# Altium PCB LimeSDR-Micro_M.2_2280_1v2.PcbDoc (part 7 of 9) (continued)
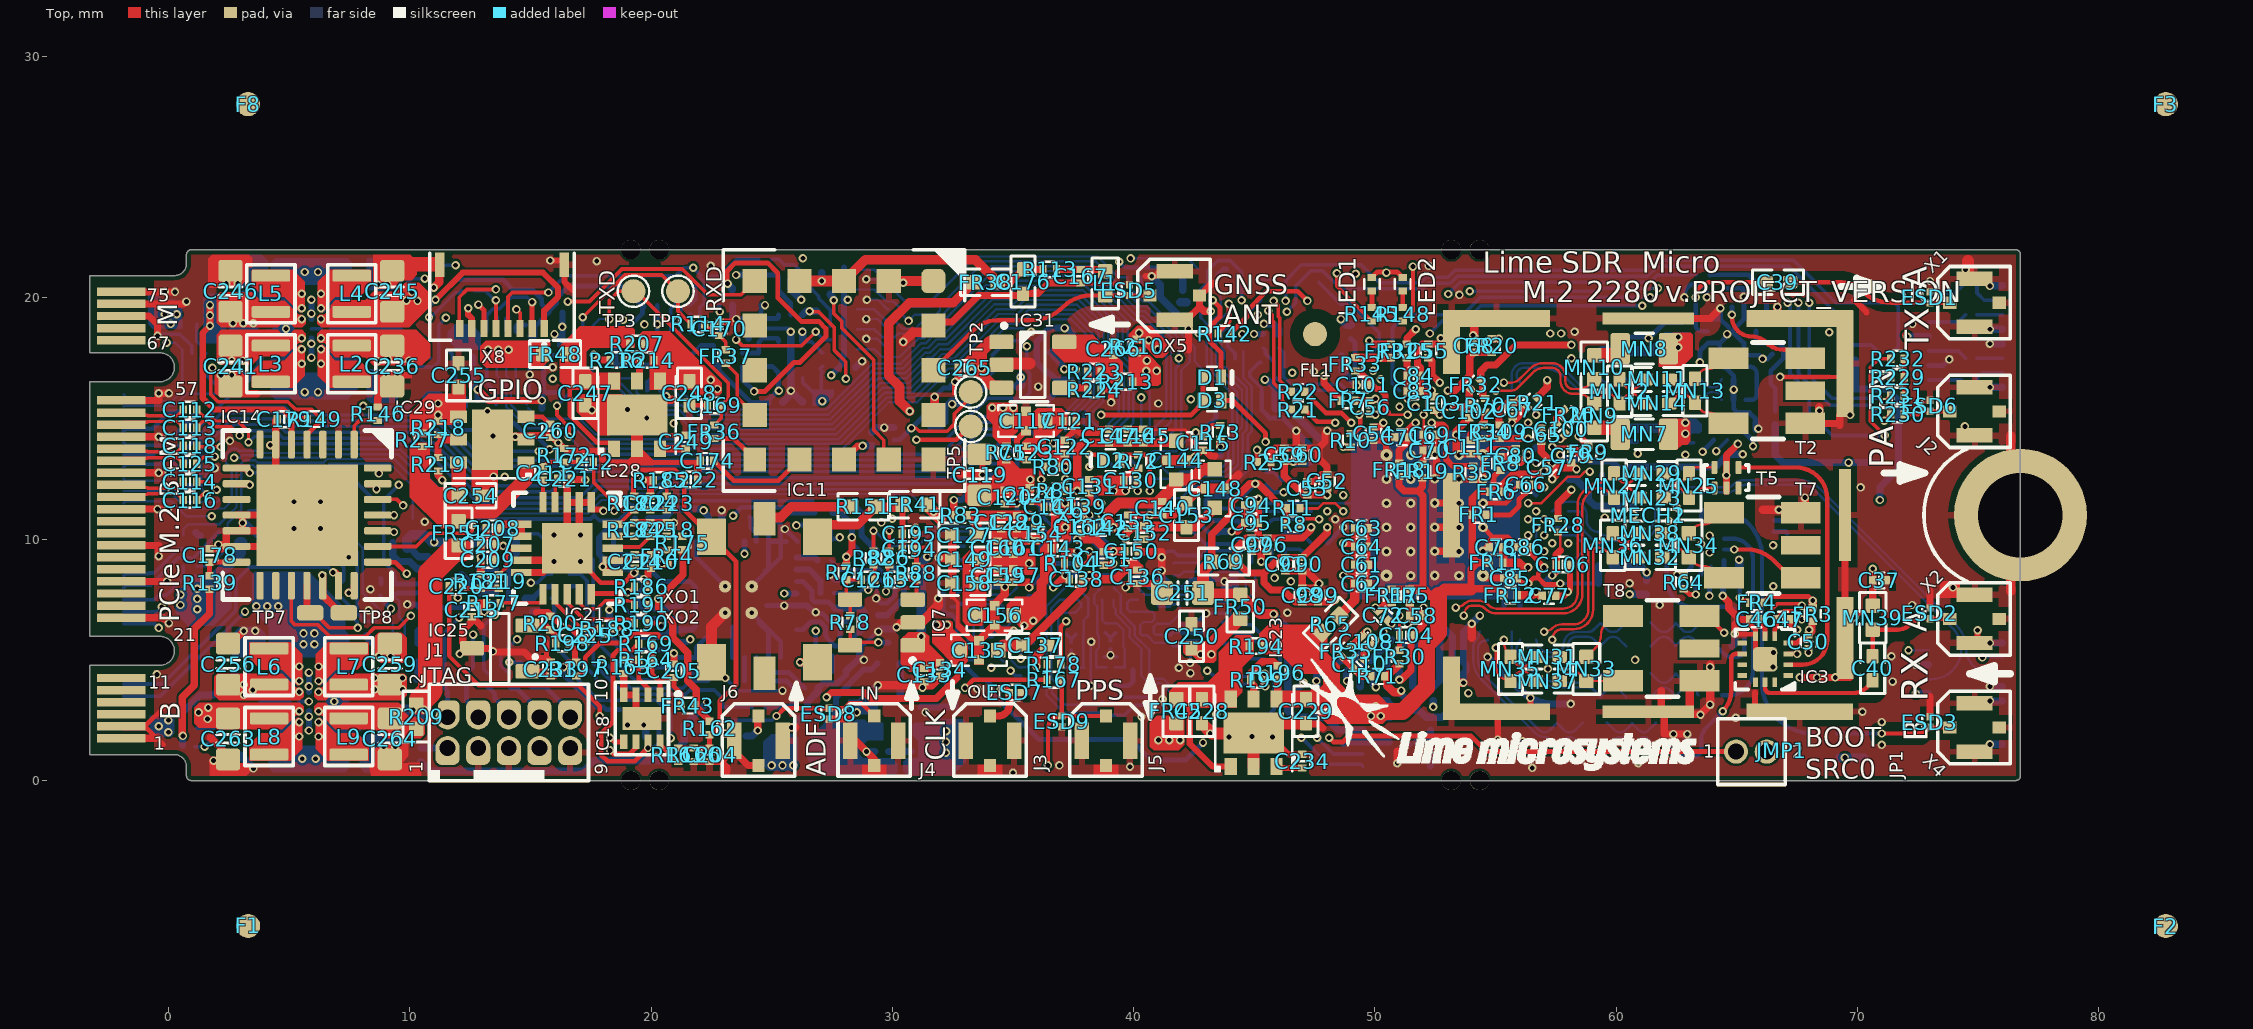
[diagram p0: Top view]
## Nets (pads, with @x,y where several pads share a name; then routed paths per layer and width w, separated by ;. In a path a pad name is that pad's centre, name@x,y a point inside that pad or via, vN(x,y) a via of type N, cw(c..) or ccw(c..) an arc to the next point about the centre after c; other vN are vias at no path point) (continued)
  Bottom w0.3: R202.1@31.35,1.2 32.19,1.2 32.486,1.496 32.486,2.046 C239.2@32.49,2.05 ; v1(52.416,3.05) FR23.2@52.416,3.32 ; FR24.2@59.821,8.9 60.991,8.9 v1(61.266,8.625) 61.258,8.617 61.258,8.28 FR10.2@61.25,8.28 ; FR22.2@60.601,12.995 64.111,12.995 64.641,13.525 v1(65.241,13.525)
  Bottom w0.6: IC27.4@31.275,2.05 32.236,2.05 C239.2@32.49,2.05
  other v1: 32.225,1.15 32.225,1.6 32.236,2.046
VCC1P5: C256.2 FR45.1 IC30.C4 L6.2 | length 0.2
  Top w0.1: C256.2@2.325,3.825 C256.2@2.475,3.975
  other v1: 41.025,1.675 41.475,1.675 41.925,1.675 3.125,3.55 5.425,3.675 3.5,3.75 3.125,3.975
VCC1P8: C130.2 C131.2 C135.1 C163.2 C165.2 C172.2 C216.1 C226.1 C245.2 C265.1 IC6.K1 IC6.K9 IC6.K11 IC6.L10 IC8.5 IC8.6 IC8.14 IC8.15 IC9.5 IC9.6 IC9.14 IC9.15 IC9.16 IC12.6 IC12.14 IC12.15 IC12.16 IC20.6 IC22.6 IC26.E4 IC31.1 IC31.3 JP1.2 L4.2 R72.1 R73.1 R83.2 R87.2 R89.1 R90.2 R116.1 R117.1 R118.1 R119.1 R121.1 R122.1 R123.1 R124.1 R125.1 R126.1 R127.1 R128.1 R147.1 R171.2 R183.2 VT1.G VT2.G | length 211.3
  Top w0.1: C245.2@9.275,19.425 C245.2@9.425,19.275
  Top w0.2: C130.2@39.586,12.45 39.586,12.475 39.636,12.525 39.636,12.548 39.983,12.895 40.141,12.895 R72.1@40.191,12.945
  Top w0.25: R83.2@32.549,11 R83.2@32.549,11 ; 38.667,12 38.667,12.299 ; C130.2@39.586,12.45 39.611,12.425 39.611,12.083 39.667,12.027 v1(39.667,12)
  Top w0.3: v1(12.825,16.2) 13.275,15.75 v1(15.48,15.75) ; v1(27.275,3.45) 27.475,3.65 28.85,3.65 29.1,3.4 31.825,3.4 32.762,4.337 32.762,4.75 ; R83.2@32.549,11 v1(32.55,11.625) ; C131.2@38.166,12.48 38.916,12.48
  Top w0.35: v1(43.596,13.83) R73.1@43.596,14.105
  Top w0.45: 33.693,16.824 34.167,16.35 34.45,16.35 IC31.3@34.525,16.275
  Top w0.5: v1@33.675,17.1 33.675,17.8 34.05,18.175 IC31.1@34.525,18.175
  L4 w0.45: v1@37.15,18.75 37.825,18.75 40.2,16.375 41.075,16.375 42.3,15.15 43.3,15.15 43.596,14.854 v1@43.596,13.88
  L4 w0.5: 11.95,16.2 12.075,16.2 v1(12.825,16.2)
  L4 w0.8: 31.338,12.713 32.55,11.5 32.825,11.225 32.825,7.175 32.5,6.85 ; 31.575,12.95 33.425,14.8 33.425,16.947 v1@33.578,17.1
  L4 w1.1: 10.15,20.025 9.875,19.75 9.875,18.725 12.075,16.525 12.075,16.2 12.075,14 12.55,13.525 12.55,12.3 13.087,11.763 15.388,11.763 17,13.375 28.025,13.375 28.45,12.95 31.425,12.95
  L6 w0.2: v2(1.125,10.275) 1.125,10.725 -0.28,12.13 -0.633,12.13 -0.975,12.471 -0.975,13.313 -0.438,13.85 0.155,13.85 1.75,15.445 1.75,16.155 2.02,16.425 3.025,16.425 4.225,17.625 4.225,19.775 5.075,20.625 6.625,20.625 7.363,19.887 v1(9.862,19.887) ; v1(37.141,18.75) 38.216,19.825 v2(41.925,19.825) ; v1(42.875,1.575) 43.175,1.275 45.875,1.275 46.925,2.325 48.15,2.325 49.275,1.2 63.375,1.2 64.15,1.975 65.46,1.975 JP1.2@66.235,1.2
  L6 w0.25: 42.116,10.225 42.416,10.525 42.416,12.65 v1(43.596,13.83)
  L6 w0.3: v1(24.725,19.7) 25.15,19.275 26.024,19.275 26.274,19.025 27.426,19.025 28.14,19.74 28.14,19.916 v1(28.15,19.925)
  L6 w0.35: v1(22.325,3.25) 27.075,3.25 v1(27.275,3.45)
  L6 w0.4: v1(25.3,16.15) 25.3,16.375 25.724,16.799 v1(27.47,16.799)
  L6 w0.45: 39.25,8.5 40.112,8.5
  L6 w0.5: v1(31.825,6.45) 33.791,6.45 34.816,7.475 36.9,7.475 37.4,7.975 38.725,7.975 39.225,8.475 ; v1(39.167,12) v1@39.516,12 ; v1@39.616,11.9 39.616,11.293 40.684,10.225 ; 40.112,8.5 40.566,8.953 40.566,9.616 40.766,9.816 40.766,10.143 40.684,10.225 ; 42.116,10.225 40.684,10.225
  Bottom w0.2: IC8.14@14.975,18.025 IC8.15@14.975,17.625 15.587,17.625 ; C172.2@15.48,16.075 R118.1@16.045,16.075 ; C172.2@15.55,16.195 15.55,17.587 15.587,17.625 ; C165.2@19.845,16.175 19.86,16.19 19.86,16.51 20.25,16.9 IC9.5@20.25,17.225 ; R183.2@24.464,17.16 25.017,17.16 25.289,16.888 IC22.6@25.289,16.69 IC22.6@25.289,16.581 ; C216.1@24.505,19.15 C216.1@24.555,19.15 ; R171.2@24.555,19.7 C216.1@24.555,19.15 ; C226.1@24.795,15.75 C226.1@24.845,15.7 24.895,15.75 24.895,15.798 25.289,16.192 IC22.6@25.289,16.581 ; C226.1@24.895,15.625 24.845,15.675 24.125,15.675 22.825,16.975 22.825,17.225 IC9.16@22.6,17.225 IC9.15@22.6,17.625 IC9.14@22.6,18.025 22.062,18.025 21.662,17.625 IC9.6@20.25,17.625 IC9.5@20.25,17.225 ; IC22.6@25.239,16.531 IC22.6@25.289,16.581 ; IC20.6@25.289,19.29 25.289,19.2 25.239,19.15 C216.1@24.555,19.15 ; v1(32.266,6.45) 32.266,5.488 33.578,4.175 33.875,4.175 34.125,3.925 34.125,3.645 36.07,1.7 39.875,1.7 40.725,0.85 42.15,0.85 v1(42.875,1.575) ; 15.587,17.625 IC12.6@16.2,17.625 17.05,17.625 17.45,18.025 IC12.14@18.55,18.025 IC12.15@18.55,17.625 IC12.16@18.55,17.225 IC9.5@20.25,17.225
  Bottom w0.25: v1(27.47,16.799) 27.915,17.244 27.915,17.515 27.99,17.59 R128.1@27.99,17.95 R123.1@27.99,18.775 R124.1@27.99,19.6 R122.1@27.99,20.425 R125.1@27.99,21.25 ; v1(32.55,11.625) 32.874,11.625 33.249,12 IC6.K1@34.667,12 ; VT2.G@36.511,18.715 36.461,18.715 36.336,18.59 36.336,18.54 35.986,18.19 35.986,17.305 36.326,16.965 36.386,16.965 VT1.G@36.511,16.84 36.561,16.84 36.776,16.625 37.412,16.625 R116.1@37.414,16.623 ; IC6.K9@38.667,12 v1(39.167,12) IC6.L10@39.167,12.5 ; R87.2@43.596,13.45 v1(43.596,13.83)
  Bottom w0.3: v2(1.125,10.275) 1.139,10.275 1.259,10.155 R147.1@1.325,10.155 ; R90.2@10.455,0.79 10.845,0.4 17.2,0.4 17.625,0.825 20.6,0.825 21.375,1.6 21.375,2.275 v1@22.325,3.225 ; IC8.6@12.625,17.55 IC8.5@12.625,17.225 12.625,16.425 12.625,16.4 v1(12.825,16.2) 12.83,16.195 R89.1@12.83,15.8 ; R127.1@15.48,15.425 v1(15.48,15.75) C172.2@15.48,16.125 ; VT2.G@36.546,18.75 v1(37.141,18.75) 37.15,18.74 37.246,18.74 37.464,18.523 37.464,18.498 R119.1@37.489,18.498
  Bottom w0.35: v1@28.033,19.925 v1(28.15,19.925) ; v2(41.925,19.825) R121.1@42.195,19.825
  other v1: 33.3,16.9 33.7,17.1 6.325,19.125 10.325,19.875 10.1,20.25
VCC1P8_AFE_OTVDD: C135.3 C136.2 C137.2 C138.2 IC6.C8 IC6.D11 | length 7.4
  Top w0.35: C137.2@35.416,5.6 35.506,5.6 37.896,7.99 37.896,8.229 v1(38.167,8.5) 38.366,8.5 38.516,8.35 39.266,8.35 39.791,8.875 C136.2@39.991,8.875
  Top w0.5: C135.3@34.391,5.4 34.591,5.6 C137.2@35.416,5.6 ; C136.2@39.991,8.875 C136.2@40.049,8.875
  other v1: 39.667,9
VCC1P8_AVDD_PLAT: C127.2 C128.1 C129.1 IC6.H3 R83.1 | length 3.3
  Top w0.35: R83.1@33.159,11 33.466,11 33.491,10.975
  Top w0.42: C127.2@33.491,10.175 33.491,10.975 v1@35.666,10.975
  other v1: 35.667,11
VCC1P8_LMK_VDDO: C187.1 C188.2 C189.2 C190.2 FR40.2 IC16.19 IC16.23 | length 8.1
  Bottom w0.2: IC16.23@26.025,6.25 26.3,6.25 26.625,6.575 27.025,6.575 27.225,6.375 27.225,6.02 C188.2@27.27,5.975 27.27,5.95 27.32,5.9 27.32,5.877 27.622,5.575 28.045,5.575 28.65,6.18 C187.1@28.675,6.18 ; IC16.19@26.025,8.25 26.3,8.25 26.325,8.225 26.325,8.221 26.67,7.876 26.67,7.517 26.787,7.4 27.355,7.4 C189.2@27.6,7.155
  Bottom w0.3: C189.2@27.6,7.155 27.605,7.15 C190.2@28.295,7.15 28.675,7.15 28.85,6.975 FR40.2@28.85,6.85 28.85,6.405 28.65,6.205 C187.1@28.65,6.18
VCC1P8_LMS: C29.2 C30.2 C31.1 C32.1 C33.2 C34.2 C35.1 C36.1 C248.2 FR26.2 FR27.1 FR28.1 FR29.2 FR30.2 FR31.2 FR32.2 FR33.2 FR40.1 IC28.4 MN1.2 MN2.2 MN7.2 MN8.2 R68.2 R70.2 R71.1 R207.2 R214.1 | length 100.9
  Top w0.3: 20.45,17.425 21.265,17.425 21.586,17.104 21.586,16.554 C248.2@21.59,16.55 ; R70.2@54.566,15.83 54.541,15.83 54.541,15.855 54.466,15.93 54.466,16.512 54.364,16.614 54.382,16.631 54.382,16.966 54.641,17.225 55.016,17.225 55.841,18.05 v1(58.141,18.05) ; FR28.1@57.586,10.855 57.586,11.495 v1(58.141,12.05) ; FR26.2@58.239,14.952 58.426,15.139 v1(58.576,15.139)
  Top w0.35: FR33.2@49.175,17.535 49.19,17.52 v1(50.196,17.52) FR31.2@50.666,17.52 ; R71.1@50.421,4.325 R71.1@50.502,4.325 ; R71.1@50.477,4.3 R71.1@50.502,4.325 ; R71.1@50.527,4.325 R71.1@50.502,4.325 ; FR30.2@50.992,4.815 R71.1@50.502,4.325 ; v1@51.016,3.65 50.791,3.65 50.502,3.939 R71.1@50.502,4.325
  Top w0.6: IC28.4@20.425,16.55 C248.2@21.59,16.55 C248.2@21.64,16.55
  L4 w0.35: 48.591,19.55 48.591,18.734 49.805,17.52 v1(50.196,17.52)
  L4 w0.5: 51.391,3.775 51.841,4.225 53,4.225 53.375,4.6 54.95,4.6 56.191,5.841 56.191,6.45 56.79,7.049 57.957,7.049 60.1,9.192 60.1,9.834 61.041,10.775 ; v1(58.141,18.05) 59.791,18.05 ; v1@58.216,12.05 60.916,12.05 ; v1@58.591,15.2 60.266,15.2 61.841,13.625
  L4 w1: 33.225,20 41,20 41.675,20.675 47.551,20.675 48.591,19.635 48.591,19.55 ; 48.666,19.475 52.541,19.475 52.791,19.225 54.375,19.225 54.675,19.525 58.816,19.525 59.641,18.7 59.641,18.2 ; 59.791,18.05 61.116,16.725 62.2,16.725 ; 61.041,10.775 61.041,11.9 61.841,12.7 61.841,13.625 62.666,14.45 62.666,16.259 62.2,16.725 ; 62.566,18.2 62.566,17.091 62.2,16.725
  L6 w0.35: v1(22.75,16.225) 23.55,15.425 24.375,15.425 v2(28.25,11.55)
  Bottom w0.25: v2(28.25,11.55) 28.725,11.075 28.725,10.15 30.475,8.4 30.475,7.55 29.775,6.85 FR40.1@29.41,6.85
  Bottom w0.3: v1@51.016,3.65 51.346,3.32 FR29.2@51.566,3.32
  Bottom w0.35: v1(48.591,19.125) 48.836,18.88 R68.2@48.991,18.88 ; v1(60.721,11) FR27.1@60.721,11.355 FR27.1@60.721,11.43
  Bottom w0.4: MN1.2@59.316,14.7 59.416,14.6 59.65,14.6 62.441,14.6 C33.2@63.316,14.6 ; MN2.2@59.316,17.7 59.416,17.8 59.65,17.8 61.521,17.8 62.096,18.375 62.331,18.14 62.566,17.905 v1(62.566,17.95)
  other v1: 51.091,3.725 62.866,14.375 62.866,14.825 22.35,16.225 22.475,16.6 62.566,18.375
VCC1P25_LMS: C229.2 FR1.2 FR5.2 FR6.2 FR7.2 FR8.2 FR9.2 FR11.2 FR12.2 FR13.2 FR14.2 FR15.2 FR16.2 FR17.2 FR18.2 FR19.2 FR20.2 FR21.2 IC23.4 R65.1 R194.2 R196.1 | length 73.7
  Top w0.25: FR6.2@54.745,11.975 54.745,12 54.905,12.16 54.905,12.577 55.138,12.81 55.138,12.835 55.163,12.86 FR8.2@55.188,12.86
  Top w0.3: IC23.4@45.925,3.375 45.975,3.425 R196.1@45.975,4.195 ; v1(47.891,16.775) 47.891,16.462 FR7.2@48.608,15.745 ; FR17.2@50.691,7.93 FR5.2@51.441,7.93 ; FR18.2@51,12.6 51,12.216 51.216,12 51.791,12 ; FR19.2@51.966,12.545 51.966,12.175 51.791,12 ; 51.991,7.93 51.991,11.8 51.791,12 ; FR11.2@54.736,9.025 54.249,9.025 ; FR6.2@54.745,11.975 54.325,11.975 54.03,11.68 54.03,9.243 54.249,9.025 ; FR20.2@54.841,18.305 v1(55.141,18.305) ; FR12.2@55.336,7.675 55.061,7.95 53.98,7.95 53.98,8.757 54.249,9.025 ; FR21.2@56.711,15.863 57.141,16.293 v1(57.141,16.593) ; v1(58.441,14.275) FR9.2@58.842,13.874
  Top w0.4: FR5.2@51.441,7.93 51.991,7.93 52.246,7.675 52.641,7.675 52.666,7.675
  Top w0.45: R65.1@47.809,6.118 47.809,4.807 48.291,4.325 48.291,3.825 49.416,2.7 v1@49.836,2.7
  Top w0.5: 52.641,7.675 52.891,7.925 53.98,7.925
  Top w0.7: IC23.4@46.025,3.375 C229.2@47.14,3.375 47.7,3.375 ; 50.1,2.862 51.153,2.862 52.141,3.85 52.141,5.625 52.641,6.125 52.641,7.675
  L4 w0.11: 49.685,14.878 49.685,15.426
  L4 w0.25: v1(47.891,16.775) 48.191,16.775 48.991,15.975 49.136,15.975 49.685,15.426 ; 49.685,14.878 49.685,14.706 50.191,14.2 51.116,14.2 51.391,13.925 53.441,13.925 53.531,13.925 53.941,14.334
  L4 w0.3: 53.941,14.334 54.261,14.655
  L4 w0.6: 49.425,3.6 49.425,4.1 50.5,5.175 51.3,5.175 51.5,5.375 51.925,5.375 52.7,6.15 52.7,7.4 53.125,7.825 54.825,7.825 55.13,8.13 55.13,13.785 54.261,14.655 ; 54.241,14.75 54.241,17.405 v1(55.141,18.305) 55.428,18.305 v1(57.141,16.593)
  L4 w0.8: 49.425,3.55 49.425,3.225 49.8,2.85 50.125,2.85
  L6 w0.3: v1(57.141,16.593) 58.091,15.643 58.091,14.8 58.441,14.45 v1(58.441,14.275)
  Bottom w0.3: FR16.2@49.121,2.725 49.121,3.055 49.361,3.295 49.361,3.32 FR15.2@49.386,3.32 50.466,3.32 FR14.2@50.491,3.32 50.516,3.32 50.516,3.27 50.886,2.9 51.841,2.9 52.116,2.625 52.791,2.625 53.216,3.05 FR13.2@53.216,3.32
  other v1: 49.836,2.675 50.241,2.675 50.025,3.075
VCC1P35: C117.1 R75.2 R210.2 R213.2 | length 7.3
  L3 w1: v1@34.141,15.4 35.016,15.4 37.05,15.4 38.725,17.075 40.7,17.075
  other v1: 34.141,15.45 34.591,15.45 35.016,15.45 40.525,16.975 40.95,16.975 40.55,17.4
VCC1P35_AVDD_SD_PLL: C119.2 C120.2 C124.1 IC6.L3 R75.1
  other v1: 35.716,12.475
VCC1P35_LDO: C266.1 IC31.5 R213.1 R223.1
VCC1P35_SD_XVDD: C117.3 C121.2 C122.2 C123.2 IC6.M5 IC6.M6 R80.2 | length 2.9
  Top w0.3: R80.2@36.947,13 v1(37.167,13)
  Top w0.4: 35.778,13.887 C117.3@36.516,14.625 ; 36.066,13.734 36.3,13.5 36.947,13.5 ; C117.3@36.242,14.801 C117.3@36.341,14.9
  Bottom w0.25: IC6.M5@36.667,13 v1(37.167,13)
VCC1P35_SW: C241.2 IC26.C2 L3.2 R210.1
  other v1: 2.175,17.4 2.625,17.4 3.075,17.4 41,17.875 40.625,18.25 5.525,18.325 40.225,18.55
VCC1P75: C259.2 FR47.1 IC30.C2 L7.2 | length 18.6
  L4 w1.2: v1@8.55,3.825 20.2,3.825 22.2,1.825 22.2,1.588 22.763,1.025 25.825,1.025
  other v1: 25,0.625 25.45,0.625 25.9,0.625 6.225,3.675 8.55,3.775 9.7,3.775 8.55,4.25 9.7,4.25
VCC2P05: C263.2 FR48.1 IC30.E4 L8.2 | length 22.2
  Top w0.1: C263.2@2.325,2.725 C263.2@2.475,2.575
  L6 w1.1: 1.575,2.75 2.3,3.475 2.3,7.35 3.275,8.325 4.725,8.325 5.8,9.4 6.452,9.4 7.15,10.098 7.15,12.947 8.228,14.025 8.4,14.025 11.05,16.675 11.633,16.675 11.708,16.75 11.875,16.75 12.75,17.625 13.5,17.625
  other v1: 1.625,2.55 1.25,2.825 5.425,2.875 1.65,3.025 13.25,17.85 13.675,17.85 14.1,17.85
VCC3P3: C164.1 C166.1 C168.1 C173.1 C177.1 C179.1 C180.1 C232.1 C250.2 FR38.1 FR49.1 FR50.1 IC8.13 IC9.13 IC10.5 IC12.13 IC13.8 IC14.5 IC15.8 IC24.5 LED1.A LED2.A R115.1 R120.1 R139.1 R149.1 R195.2 R204.1 R206.1 R208.2 R211.2 R220.1 R221.1 R222.1 X6.8 X7.8 X8.1 | length 226.9
  Top w0.2: LED1.A@49.875,20.85 50.1,21.075 50.925,21.075 LED2.A@51.15,20.85
  Top w0.25: v1(1.725,18.85) 1.425,18.55 1.425,15.85 1.9,15.375 4.753,15.375 5.05,15.078 5.05,14.995 C179.1@5.075,14.97 5.08,14.975 C179.1@5.095,14.975 ; C179.1@5.087,14.983 C179.1@5.095,14.975 ; IC14.5@5.1,13.925 5.1,14.97 C179.1@5.095,14.975 ; R149.1@5.765,14.975 C179.1@5.095,14.975 ; v1(11.07,19.925) 12.195,21.05 15.525,21.05 16.15,20.425 16.15,20.05 15.575,19.475 X8.1@15.575,18.725
  Top w0.3: v1@0.575,1.85 0.575,3.45 1.075,3.95 1.075,6.285 1.705,6.915 R139.1@1.705,7.925 ; v1(1.725,18.85) v1(1.725,19.7) ; v1@71.995,18.455 v1(72.05,18.4)
  Top w0.4: v1(30.725,15.3) 30.3,15.725 30.3,16.325 29.85,16.775 29.85,18.947 30.703,19.8 32.525,19.8 FR38.1@33.375,20.65
  Top w0.6: 43.109,5.475 44.334,6.7 FR50.1@44.425,6.7
  L3 w0.4: v1(1.725,18.85) v1(1.725,19.7) 2,19.975 3,19.975 4.6,21.575 6.825,21.575 7.1,21.3 10.9,21.3 11.475,20.725 11.475,20.175 11.225,19.925 v1(11.07,19.925)
  L4 w0.35: v1(0.6,1.85) 0.6,3.275 1.225,3.9 1.225,6.35 1.8,6.925 1.8,8.925 1.125,9.6 1.125,17.125 1.725,17.725 v1(1.725,19.275) v1(1.725,19.7)
  L4 w0.4: v1(11.07,19.925) 11.425,19.925 11.975,19.375 11.975,19.125 12.45,18.65 14.4,18.65 15.45,17.6 15.45,16.45 15.675,16.225 15.677,16.225 15.877,16.025 18.5,16.025 ; v1@22.825,19.43 19.695,16.3 18.775,16.3 18.5,16.025 ; v1(32.475,15.6) 32.175,15.3 v1(30.725,15.3) 27.675,15.3 27.475,15.1 26.65,15.1 25.825,14.275 19.1,14.275 18.5,14.875 18.5,16.025
  L4 w0.5: v1@22.825,19.43 24.12,20.725 26.3,20.725 26.875,21.3 38.825,21.3 39.175,20.95 40,20.95 40.6,21.55 49.975,21.55 v1(50.475,21.05) 50.95,20.575 52.425,20.575 52.8,20.95 56.219,20.95 56.494,21.225 73.4,21.225 74.475,20.15 74.475,19.025 73.85,18.4 ; v1(72.05,18.4) 73.85,18.4 ; v1(72.418,3.6) 74.375,5.558 74.375,7.683 74.6,7.908 74.6,8.375 73.85,9.125 73.425,9.125 v1(70.925,11.625) 72.9,13.6 74.117,13.6 75,14.483 75,16.04 74.35,16.69 74.35,17.9 73.85,18.4
  Bottom w0.2: R206.1@8.966,19.4 10.375,19.4 10.475,19.5 10.48,19.5 10.63,19.65 10.795,19.65 v1(11.07,19.925) 11.895,20.75 13.875,20.75 14.3,20.325 15.105,20.325 15.475,19.955 15.475,19.743 C164.1@15.77,19.448 ; IC24.5@10.3,5.65 10.3,6.213 10.412,6.325 10.42,6.325 10.47,6.375 R195.2@10.47,6.4 10.52,6.45 10.52,6.542 11.03,7.052 C232.1@11.03,7.1 11.03,7.125 11.08,7.175 12.65,7.175 12.85,7.375 13.95,7.375 14.1,7.525 14.1,9.15 14.287,9.337 ; IC8.13@14.975,18.425 15.2,18.425 15.2,18.75 ; 15.2,18.751 15.2,18.83 C164.1@15.77,19.4 C164.1@15.77,19.448 ; IC12.13@18.55,18.425 18.72,18.425 19.645,19.35 C166.1@19.645,19.55 ; C166.1@19.645,19.7 C166.1@19.645,19.65 ; C166.1@19.695,19.625 19.695,19.65 C166.1@19.645,19.65 ; C166.1@19.71,19.64 19.697,19.627 19.697,19.602 C166.1@19.645,19.55 ; IC9.13@22.6,18.425 22.825,18.425 C173.1@22.825,19.7 ; C164.1@15.77,19.448 16.097,19.775 16.097,19.997 16.6,20.5 18.795,20.5 C166.1@19.645,19.65 ; C166.1@19.645,19.55 C166.1@19.645,19.65
  Bottom w0.22: IC10.5@31.575,14.625 31.604,14.654 32.029,14.654 32.225,14.85 32.225,15.55 C168.1@32.43,15.755
  Bottom w0.25: C168.1@32.43,15.755 32.545,15.755 32.7,15.6 33.1,15.6 R115.1@33.85,16.35 33.85,16.675 34.15,16.975 R120.1@34.15,17.075
  Bottom w0.3: R222.1@0.59,1.45 0.59,2.815 1.325,3.55 1.89,3.55 R220.1@2.765,4.425 ; R204.1@8.36,19.4 R206.1@8.966,19.4 ; C177.1@9.89,9.635 10.009,9.635 10.369,9.275 IC13.8@10.75,9.275 ; IC15.8@69.9,17.425 C180.1@69.9,16.225 71.225,16.225 71.7,15.75 71.7,12.925 FR49.1@70.925,12.15 v1(70.925,11.625) ; v1(72.05,18.4) X7.8@72.943,18.4 ; v1(72.418,3.6) X6.8@72.943,3.6
  Bottom w0.4: C177.1@9.89,9.635 9.89,9.99 10.075,10.175 10.625,10.175 10.925,9.875 v1(11.012,9.875) 13.15,9.875 13.54,10.265 14.06,10.265 14.375,9.95 14.375,9.425 14.287,9.337
  other v1: 42.775,5.225 43.225,5.225 22.85,19.43
VCC3P3_CLK: C133.2 C134.1 C203.2 C206.2 C210.1 C213.2 C214.2 C255.2 FR39.1 FR41.2 FR42.1 FR43.1 FR44.1 IC7.1 IC17.5 IC19.5 IC21.16 IC21.17 IC29.4 R159.2 R162.1 R174.2 R175.2 R177.1 R187.2 R197.2 R217.2 R218.1 | length 87.3
  Top w0.2: R197.2@16.901,4.337 16.987,4.337 17.276,4.626 17.276,5.101 17.875,5.7 18.875,5.7 19.225,6.05 20.288,6.05 20.413,5.925 20.9,5.925 ; IC21.17@18.425,9.125 18.445,9.145 19.115,9.145 19.25,9.28 19.25,9.305 19.3,9.355 C214.2@19.325,9.355 C210.1@20,9.355 20.205,9.56 R175.2@21.3,9.56 ; v1@23.15,20.595 23.15,21.105 23.495,21.45 24.833,21.45 25.25,21.033 25.25,20 26.225,19.025 26.955,19.025 27.25,18.73 27.25,18.4 26.175,17.325 25.925,17.325 24.725,16.125 v1(24.275,16.125)
  Top w0.3: C255.2@12.021,16.286 C255.2@12.025,16.29 ; C213.2@12.58,7.35 R177.1@13.082,7.35 ; IC21.16@18.425,8.625 18.15,8.625 18.15,8.711 v1(18,8.861) 18,8.889 18.15,9.039 18.15,9.125 IC21.17@18.425,9.125 ; 21.125,5.7 20.9,5.925 20.9,6.55 20.313,7.137 20.313,7.513 21.325,8.525 21.325,9.56 R175.2@21.3,9.56 ; 21.126,5.7 21.525,5.301 21.525,4.125 21.875,3.775 21.875,3.175 21.81,3.11 FR43.1@21.81,3.105 22.425,2.49 R162.1@22.425,2.455 ; IC7.1@30.845,5.6 IC7.1@30.945,5.6 ; IC7.1@31.045,5.6 IC7.1@30.945,5.6 ; C133.2@31.325,4.655 31.63,4.655 31.825,4.85 31.825,5.15 31.525,5.45 31.095,5.45 IC7.1@30.945,5.6
  Top w0.35: v1(13.087,7) R177.1@13.087,7.325
  Top w0.5: FR41.2@31.425,11.425 31.475,11.375 v1(32,10.85)
  Top w0.6: IC29.4@12.025,15.125 C255.2@12.025,16.29 C255.2@12.025,16.34
  L3 w0.25: v1(23.4,10.975) 24.625,12.2 26.45,12.2 27.3,13.05 27.3,13.1
  L3 w0.4: v1(24.275,16.125) 27.3,13.1 29.75,13.1 v1(31.713,11.138) v1(32,10.85)
  L3 w0.5: v1(11.175,15.625) v1(11.175,15.15) 11.175,13.85 14.475,10.55 14.475,8.937 13.025,7.487 v1@13.025,7.075
  L4 w0.4: v1@20.325,7.525 21.1,8.3 21.1,8.675 v1(23.4,10.975)
  L6 w0.22: v1(13.087,7) 13.613,7.525 v2(14.775,7.525) 14.81,7.525 14.9,7.615 18.66,7.615 18.862,7.412 18.865,7.415 19.204,7.415 19.475,7.686 19.475,7.8 19.625,7.95 19.994,7.95 20.275,7.669 20.275,7.55 v1(20.3,7.525)
  L6 w0.4: v1(31.45,9.275) 31.45,9.575 32,10.125 v1(32,10.85) v1(31.713,11.138)
  Bottom w0.2: v1(23.4,10.975) 23.75,11.325 25.55,11.325 25.788,11.087 IC17.5@26.8,11.087 ; R187.2@23.789,17.16 23.789,16.611 v1(24.275,16.125)
  Bottom w0.22: C206.2@15.06,7.595 C206.2@15.1,7.555 15.125,7.555 15.165,7.595 15.165,7.62 15.58,8.035 15.872,8.035 IC19.5@15.887,8.05
  Bottom w0.25: v1(18,8.861) 18,9.225 17.845,9.38 FR42.1@17.845,9.975 17.845,10.058 18.237,10.45 18.945,10.45 FR39.1@19.345,10.85
  Bottom w0.3: v2(14.775,7.525) 14.805,7.555 C206.2@15.1,7.555 ; v1(23.175,20.595) 23.37,20.4 R174.2@23.37,20.325
  Bottom w0.4: v1(31.2,5.975) 31.2,9.025 v1(31.45,9.275) ; v1(31.713,11.138) v1@31.975,10.875
VCC3P3_GNSS: C175.2 C176.2 FR38.2 IC11.14 IC11.15 R113.2 | length 11.4
  Top w0.3: FR38.2@34.375,20.65 34.89,20.65 C176.2@35.42,21.18 R113.2@36.24,21.18
  Top w0.4: IC11.15@28,20.7 28.875,21.575 33.45,21.575 FR38.2@34.375,20.65
  Top w0.45: IC11.14@26.15,20.7 v1(27.075,20.7) IC11.15@28,20.7
  Bottom w0.3: v1(27.075,20.7) 27.08,20.705 C175.2@27.08,21.05
VCC3P3_LMK: C181.1 C182.2 C183.2 FR39.2 IC16.10 R156.1 | length 19.7
  L6 w0.2: v1(18.275,7.075) 20.38,7.075 20.675,7.37 20.675,7.91 19.21,9.375 18.875,9.375 17.55,10.7 17.55,11.375 17.825,11.65 21.729,11.65 v1(22.182,11.197)
  Bottom w0.2: IC16.10@22.375,9.9 22.375,10.815 C182.2@22.385,10.825
  Bottom w0.3: v1(18.275,7.075) 18.275,5.986 19.561,4.7 R156.1@19.595,4.7 ; FR39.2@19.905,10.85 20.524,10.85 20.924,11.25 22.079,11.25 22.385,10.944 C182.2@22.385,10.825
VCC3P3_LMK_VDDO: C198.1 C199.2 C200.2 C201.2 FR42.2 IC16.2 IC16.6 | length 8.7
  Bottom w0.2: FR42.2@18.45,10.02 C201.2@18.45,9.375 C199.2@19.1,9.375 19.15,9.325 19.375,9.325 20.45,8.25 IC16.6@21.225,8.25 21.6,8.25 21.85,8 21.85,6.375 21.725,6.25
  Bottom w0.25: IC16.2@21.225,6.25 21.725,6.25
  Bottom w0.3: C198.1@19.525,5.975 C200.2@20.248,5.975 20.601,5.975 20.876,6.25 IC16.2@21.225,6.25
VCC3P3_M.2: C230.2 FR46.1 R74.1 X9.P2 X9.P4 X9.P70 X9.P72 X9.P74 | length 22.2
  L6 w1.1: -0.125,2.25 -0.125,3.125 0.875,4.125 0.875,6.4 ; 0.1,19.2 1,18.3 1,15.858 0.317,15.175 -0.8,15.175 -1.925,14.05 -1.925,11.325 -0.825,10.225 -0.158,10.225 0.45,9.617 0.45,9.025 0.875,8.6 0.875,7.575
  Bottom w0.5: FR46.1@1.737,8.212 2.975,9.45 2.975,9.85 C230.2@3.025,9.85
  other v1: 0,2 -0.4,2.25 0,2.5 1.2,7.1 0.5,7.275 1.2,7.525 0.5,7.7 1.2,7.95 0.1,18.925 -0.15,19.325 0.35,19.325
VCC3P3_RF: C252.1 FR2.1 FR3.2 FR4.2 FR49.2 | length 14.5
  Top w0.2: FR4.2@66.096,7.375 66.096,7.4 66.146,7.45 66.171,7.45 66.346,7.625 67.975,7.625 v1(68.141,7.459)
  Top w0.35: FR3.2@68.141,7.19 v1(68.141,7.459)
  L4 w0.3: v1(68.141,7.459) 69.625,8.943 v1(69.625,13.175)
  Bottom w0.3: FR2.1@66.585,14.74 66.585,13.49 66.9,13.175 v1(69.625,13.175) C252.1@70.05,13.175 FR49.2@70.9,13.175
VCC3P3_RF_RX1: C37.1 C50.1 FR3.1 IC3.4 MN39.2 | length 6.8
  Top w0.2: IC3.4@67.118,5.7 67.488,5.7 67.613,5.825 67.761,5.825 C50.1@67.966,6.03
  Top w0.3: C50.1@67.966,6.03 68.116,6.18 FR3.1@68.116,6.605 ; MN39.2@70.625,7.25 C37.1@70.625,8.295 v1(70.625,8.775)
  L4 w0.3: v1(67.991,6.25) 70.516,8.775 v1(70.625,8.775)
VCC3P3_RF_RX2: C38.1 C51.1 FR4.1 IC4.4 MN40.2 | length 14
  Top w0.2: v1(65.116,7.575) 65.241,7.45 65.486,7.45 65.536,7.4 FR4.1@65.536,7.375
  L4 w0.3: v1(65.116,7.575) 64.491,6.95 64.025,6.95 63.625,6.55 63.625,5.65 64.7,4.575 65.853,4.575 v1(69.478,0.95)
  Bottom w0.2: IC4.4@64.468,9.125 64.468,8.722 C51.1@65.106,8.085 ; v1(65.116,7.575) C51.1@65.116,8.095
  Bottom w0.35: C38.1@69.23,0.95 v1(69.478,0.95) MN40.2@70.25,0.95 MN40.2@70.275,0.95
VCC3P3_SW: C246.2 IC26.E2 L5.2 R208.1
  other v1: 2.675,18.95 3.1,18.95 3.525,18.95 5.525,19.125
VCC_CLK: FR51.1 R209.2 R212.2 | length 7.1
  Top w1: R209.2@10.475,3.35 10.85,3.725 10.85,8.575 11.825,9.55 FR51.1@12.125,9.55
  other v1: 10.15,2.925 10.6,2.925
VCC_CLK_SW: C264.2 IC30.E2 L9.2 R209.1 | length 0.9
  Top w0.1: C264.2@9.175,2.575 C264.2@9.325,2.725
  Top w1: 8.65,2.725 C264.2@9.325,2.725
  other v1: 6.225,2.875
VCC_EXT: C231.2 C235.2 C237.2 C240.2 C242.2 C244.1 C253.2 C257.2 C258.2 C261.2 C262.1 FR46.2 IC26.A1 IC26.A5 IC26.B1 IC26.B5 IC26.E1 IC26.F1 IC26.F5 IC26.G1 IC26.G5 IC30.A1 IC30.A5 IC30.B1 IC30.B5 IC30.E1 IC30.F1 IC30.F5 IC30.G1 IC30.G5 R205.1 R211.1 R212.1 | length 9.8
  Bottom w0.15: C261.2@4.775,0.95 4.775,1.825 IC30.G5@5.025,2.075 ; C258.2@4.775,5.6 4.775,4.725 IC30.A5@5.025,4.475 ; C235.2@4.875,16.4 4.875,17.275 IC26.A1@5.125,17.525 ; C237.2@4.875,21.05 4.875,20.175 IC26.G1@5.125,19.925 ; IC30.G1@6.625,2.075 6.875,1.825 C253.2@6.875,0.95 ; IC30.A1@6.625,4.475 6.875,4.725 6.875,5.55 C257.2@6.875,5.6 ; IC26.A5@6.725,17.525 6.975,17.275 C240.2@6.975,16.4 ; IC26.G5@6.725,19.925 6.975,20.175 C242.2@6.975,21.05
  other v1: 5.55,0.9 6.1,0.9 5.6,5.65 6.05,5.65 5.6,6.1 6.05,6.1 3.65,7.225 4.1,7.225 4.55,7.225 5.65,16.1 6.2,16.1 5.65,21.075 6.2,21.075
VCC_VREF_DAC: C233.1 IC25.1 R168.2 R197.1 R198.1 | length 6.5
  Top w0.25: IC25.1@14.876,4.525 15.525,4.525 15.712,4.338 C233.1@15.851,4.338 16.012,4.338 v1(16.375,4.7) 16.557,4.882 16.886,4.882 R197.1@16.901,4.898 ; R198.1@16.611,5.688 16.851,5.448 R197.1@16.851,4.898
  Bottom w0.2: v1(16.375,4.7) 16.375,4.386 17.711,3.05 18.03,3.05 18.13,2.95 R168.2@18.72,2.95
VDIO_LMS: C28.1 C251.2 FR50.2 IC2.8 R8.1 R10.2 R11.2 R12.2 R13.2 R53.2 R54.2 R69.1 | length 28.7
  Top w0.3: R69.1@43.241,9.075 43.241,10.2 44.051,11.01 44.051,11.536 44.815,12.3 v1(45.041,12.3) 45.166,12.3 46.211,11.255 46.336,11.255 R8.1@46.336,10.625 ; v1(48.686,13.826) 48.692,13.82 R10.2@48.991,13.82
  Top w0.4: FR50.2@44.425,7.7 45.225,6.9 v1(45.8,6.9)
  Top w0.5: R69.1@43.241,9.075 42.875,8.709 C251.2@42.875,7.775 42.95,7.7 FR50.2@44.425,7.7
  L4 w0.3: v1(45.041,12.3) 45.241,12.5 47.36,12.5 v1(48.686,13.826)
  Bottom w0.2: v1(45.041,12.3) 44.516,11.775 43.241,11.775 43.143,11.775 42.991,11.623 42.991,10.927 43.143,10.775 44.174,10.775 44.189,10.76 44.316,10.76 44.401,10.675 R12.2@45.061,10.675
  Bottom w0.3: v1(45.8,6.9) 46.391,6.309 46.391,3.627 46.4,3.618 46.4,3.584 46.391,3.574 46.391,2.884 46.65,2.625 R53.2@46.955,2.625 R54.2@47.605,2.625 47.95,2.625 48.475,2.1 C28.1@48.7,2.1 IC2.8@49.5,2.1
XO_VC: C204.1 C222.2 R161.2 R162.2 R166.1 R180.1 XO1.1 XO2.1 | length 17
  Top w0.2: R180.1@19.3,11.78 19.275,11.805 19.275,12.605 19.545,12.875 20.975,12.875 21.3,12.55 21.325,12.55 21.375,12.5 C222.2@21.375,12.475 21.375,11.225 XO1.1@22.5,10.1 23.525,9.075 23.525,3.975 22.85,3.3 22.85,2.272 22.523,1.945 22.475,1.945 R162.2@22.425,1.895 C204.1@22.425,1.345 R166.1@21.77,1.345 R161.2@21.12,1.345